# Altium PCB Charger Interface.PcbDoc
Units mm, origin at the board's own origin, x right, y up, seen from the top; angles counter-clockwise.
Board outline 50 x 55 mm, 2 copper layers (Top Layer, Bottom Layer); 68 components, 56 nets, 244 pads, 102 vias.
Unrouted connection lines stored in the file: 67.
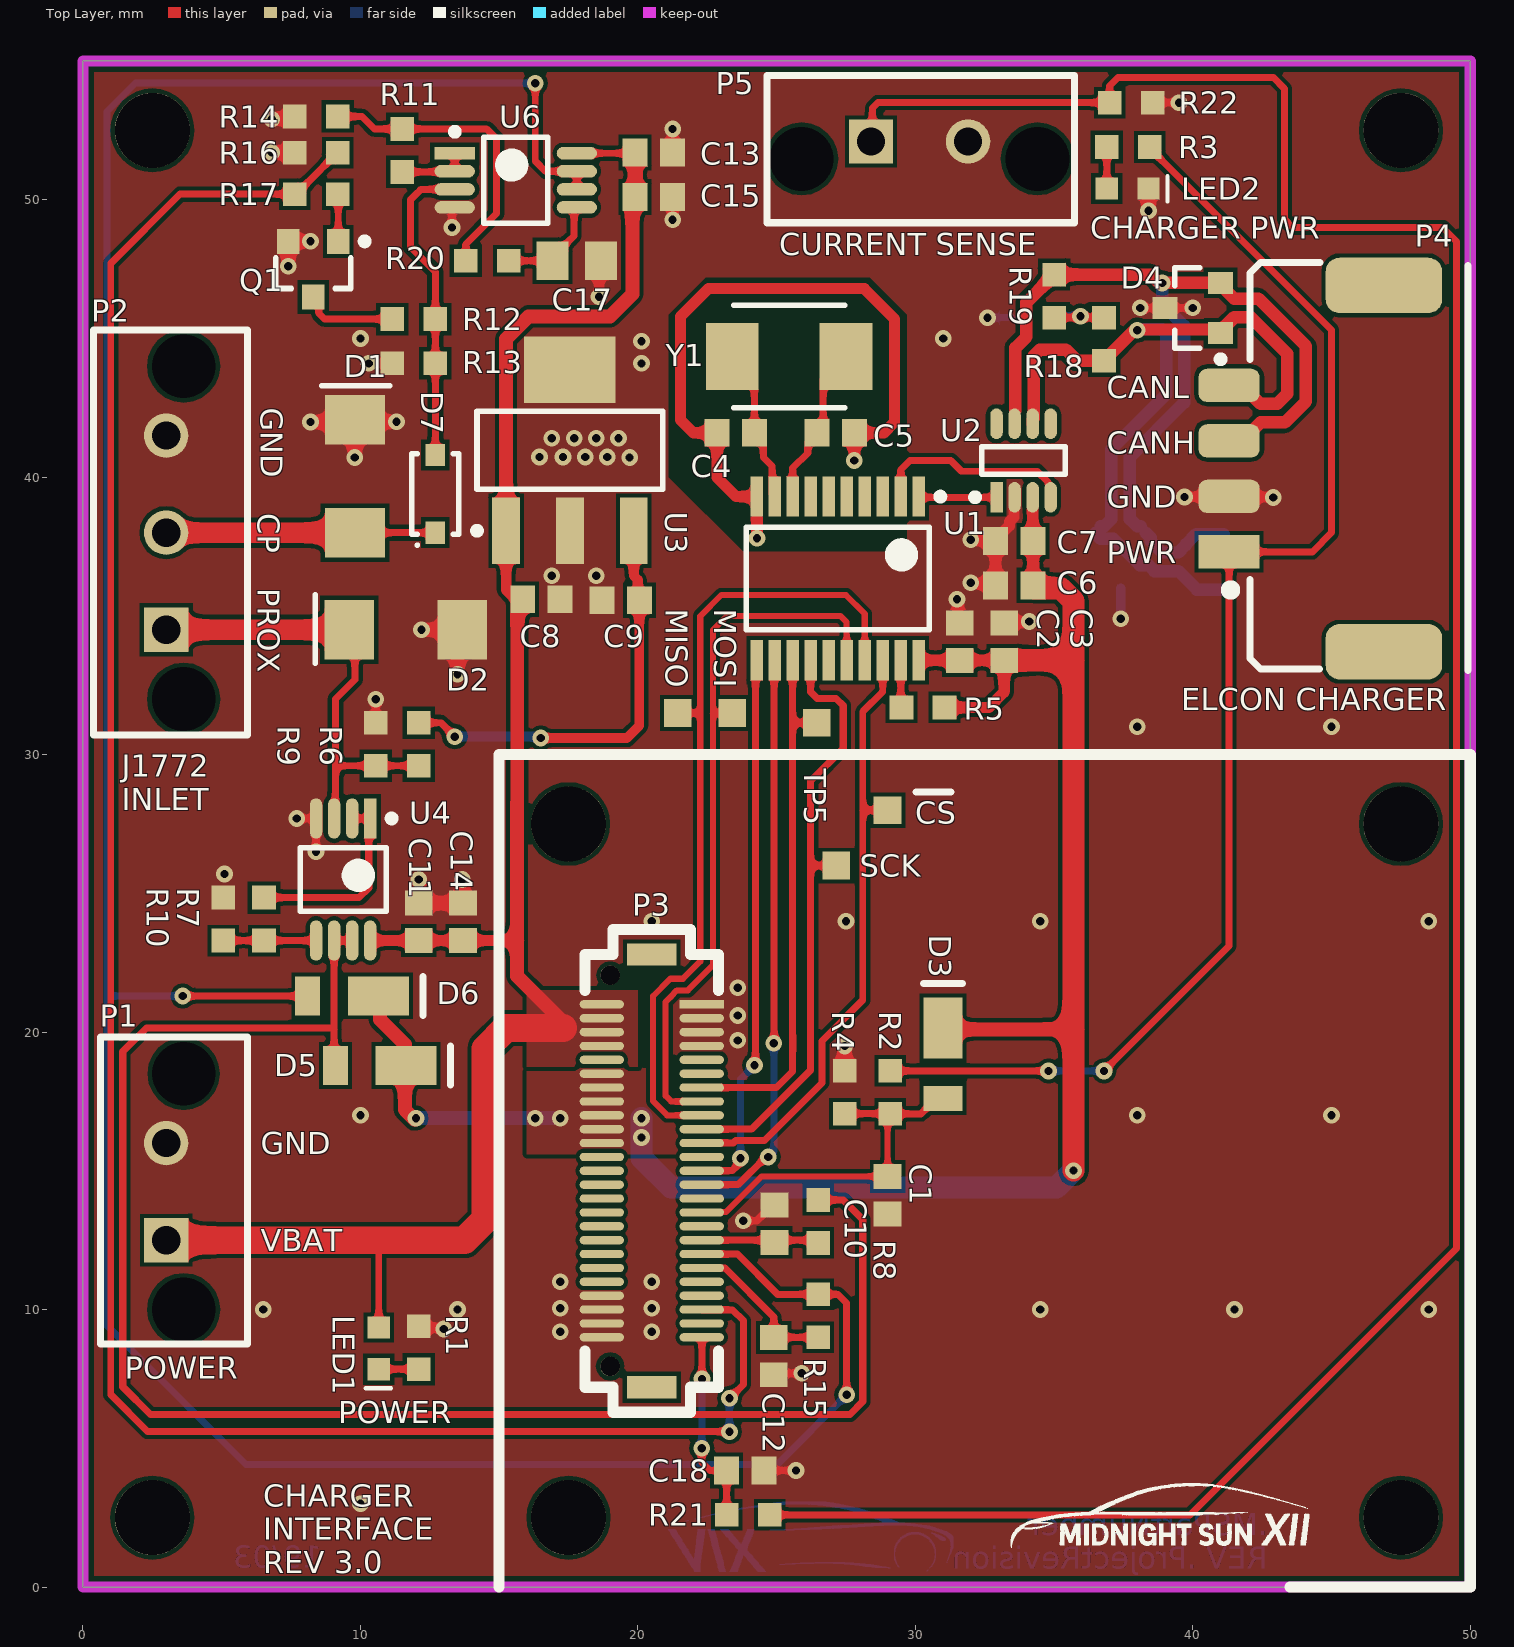
[diagram p0: Top Layer view]
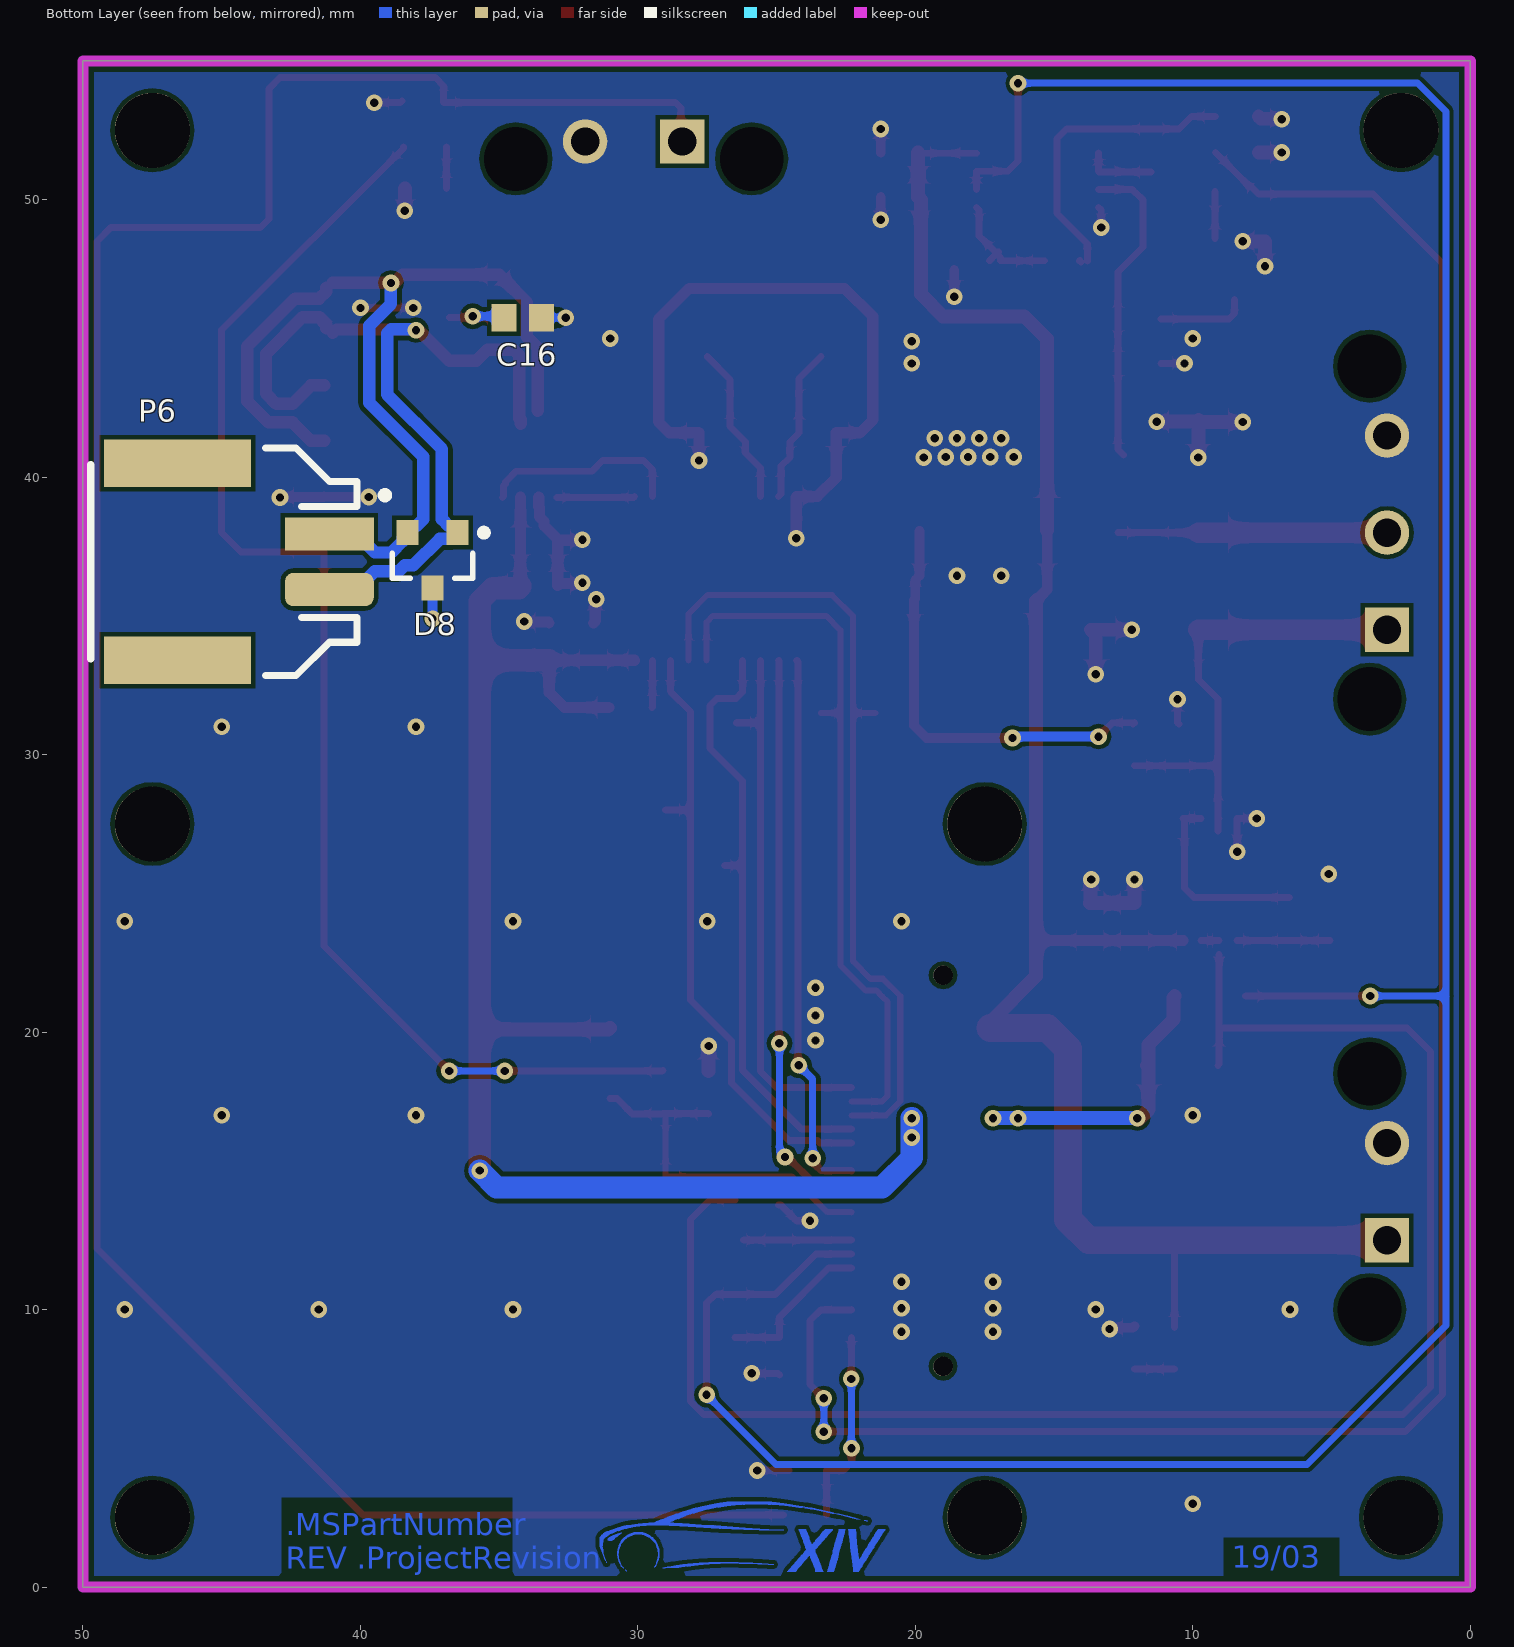
[diagram p1: Bottom Layer view, seen from below]
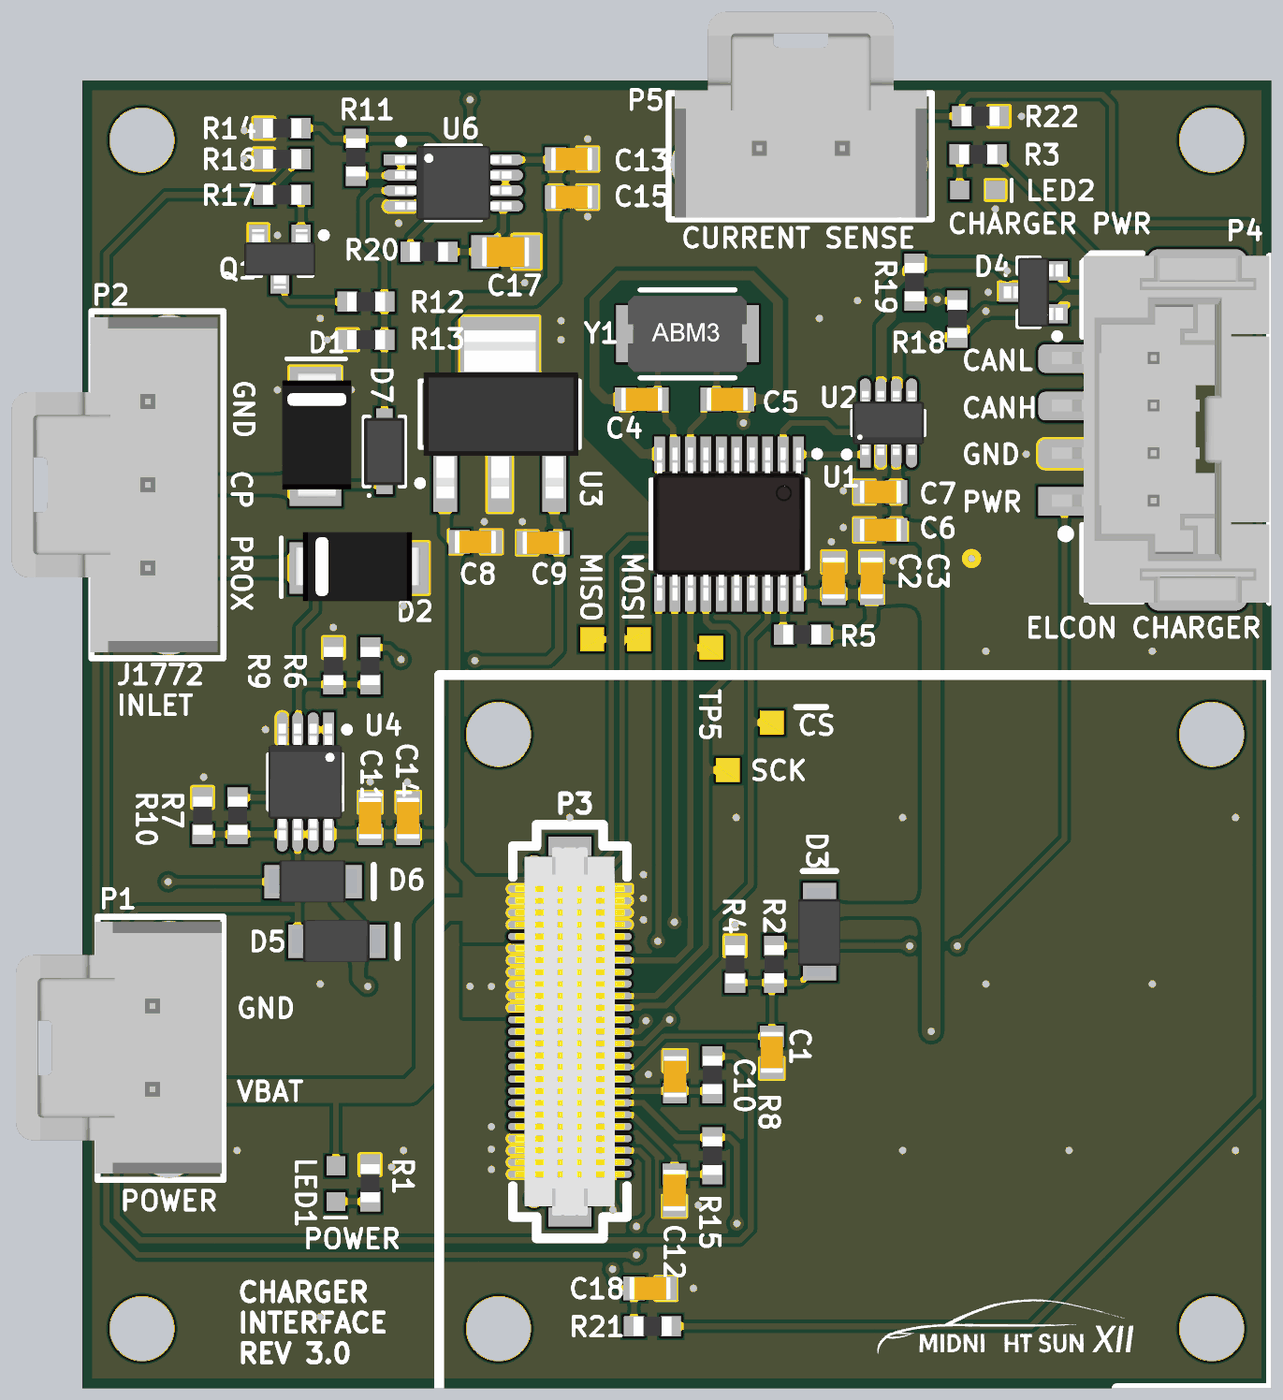
[diagram p2: 3D render of the assembled board from above, using the file's embedded part models]
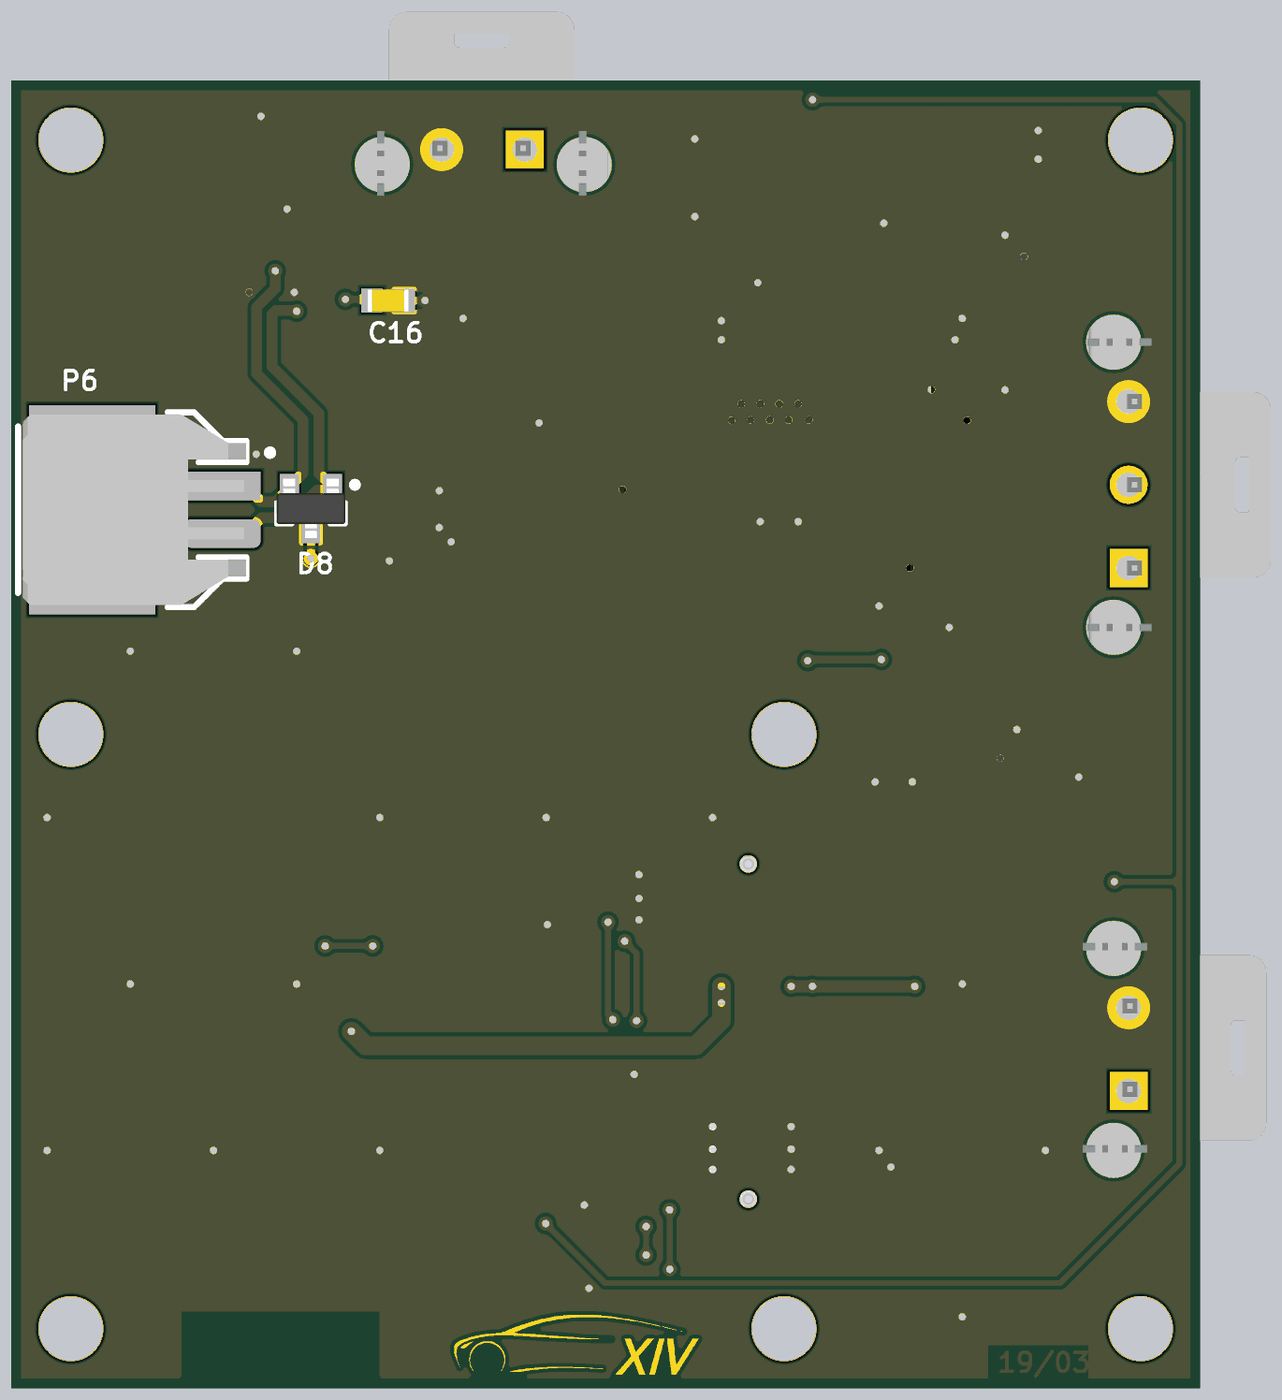
[diagram p3: 3D render of the assembled board from below, using the file's embedded part models]

## Layer stack, top to bottom
Top Solder: solder mask 0.0102, Solder Resist, Dk 3.5
Top Layer: signal copper 0.0356
Dielectric 1: dielectric 0.32, FR-4, Dk 4.8
Bottom Layer: signal copper 0.0356
Bottom Solder: solder mask 0.0102, Solder Resist, Dk 3.5

## Board outline
0,0 0,55 50,55 50,0

## Design rules (kind name [scope] priority, off if disabled: settings)
BoardOutlineClearance [All] p1: gap=0.406 ignorepadtopadclearanceinfootprint=FALSE
Clearance [All] p1: gap=0.152 ignorepadtopadclearanceinfootprint=TRUE
ComponentClearance ComponentClearance_ControllerBoard [InComponent('P3') vs Identifier = 'Controller_Board'] p1: gap=0 collisioncheckmode=3 verticalgap=0 showdistances=FALSE
ComponentClearance ComponentClearance_Standoffs [Identifier = 'Standoff' vs Identifier = 'Controller_Board'] p2: gap=0 collisioncheckmode=3 verticalgap=0 showdistances=FALSE
ComponentClearance ComponentClearance_C1_C2 [HasFootprint('CAP ALUM 6.3MM RADIAL SMD') vs OnLayer('Bottom Layer')] p3: gap=0 collisioncheckmode=3 verticalgap=0 showdistances=FALSE
ComponentClearance [All] p4: gap=0.254 collisioncheckmode=3 verticalgap=0.254 showdistances=FALSE
DiffPairsRouting [All] p1: maxlimit=0.8 minlimit=0.2 mostfreqgap=0.22 toplayer_minwidth=0.2 toplayer_maxwidth=0.5 toplayer_prefwidth=0.45 bottomlayer_minwidth=0.2 bottomlayer_maxwidth=0.5 bottomlayer_prefwidth=0.45 maxuncoupledlength=12.7
HoleSize [All] p1: absolutevalues=TRUE maxlimit=6.3 minlimit=0.3 maxpercent=80.000 minpercent=20.000
MinimumAnnularRing [All] p1: minimumring=0.15
MinimumSolderMaskSliver [All] p1: minsoldermaskwidth=0.3
PolygonConnect PolygonConnect_Via [IsVia] p1: connectstyle=Direct reliefconductorwidth=0.254 reliefentries=4 polygonreliefangle="90 Angle" airgapwidth=0.254
PolygonConnect [All] p2: connectstyle=Direct reliefconductorwidth=0.254 reliefentries=4 polygonreliefangle="90 Angle" airgapwidth=0.254
PolygonConnect PolygonConnect_NoThermal [Not(IsPad)] p3: connectstyle=Direct reliefconductorwidth=0.254 reliefentries=4 polygonreliefangle="90 Angle" airgapwidth=0.254
RoutingVias [All] p1: holewidth=0.3 width=0.6 viastyle="Through Hole" minholewidth=0.3 minwidth=0.6 maxholewidth=0.711 maxwidth=1.27
SilkToSilkClearance SilkToSilkClearance_Top [OnLayer('Top Overlay') vs OnLayer('Top Overlay')] p1: silktosilkclearance=0.254
SilkToSilkClearance SilkToSilkClearance_Bottom [OnLayer('Bottom Overlay') vs OnLayer('Bottom Overlay')] p2: silktosilkclearance=0.254
SilkToSolderMaskClearance [IsPad] p1: minsilkscreentomaskgap=0.178 clearancetoexposedcopper=TRUE
SolderMaskExpansion [All] p1: expansion=0.102
Width [All] p1: maxlimit=2.54 minlimit=0.152 preferedwidth=0.25
24 further rules are at their usual default settings.

## Classes and differential pairs
component class "Charger Interface - Connectors": C1 C18 D1 D2 D3 D8 LED1 LED2 P1 P2 P3 P4 P5 P6 R1 R2 R3 R4 R21 R22
component class "Charger Interface - CAN": C2 C3 C4 C5 C6 C7 C16 CS D4 MISO MOSI R5 R18 R19 SCK TP5 U1 U2 Y1
component class "Charger Interface - J1772 Interface": C8 C9 C10 C11 C12 C13 C14 C15 C17 D5 D6 D7 Q1 R6 R7 R8 R9 R10 R11 R12 R13 R14 R15 R16 R17 R20 U3 U4 U6
differential pair CHARGER_CAN: +CHARGER_CAN_P -CHARGER_CAN_N

## Components (designator, comment, footprint, x,y, rotation, side; value= is the part's Value field where it differs from the comment)
C1 "CAP CER 0.1UF 50V 10% X7R 0603" "CAP, 0603" 29,14.125 r270 top
C2 "CAP CER 0.1UF 50V 10% X7R 0603" "CAP, 0603" 31.6,34.075 r90 top
C3 "CAP CER 1UF 50V 10% X7R 0603" "CAP, 0603" 33.2,34.075 r90 top
C4 "CAP CER 25PF 50V ±5% C0G/NP0 0603" "CAP, 0603" 23.525,41.6 r180 top
C5 "CAP CER 25PF 50V ±5% C0G/NP0 0603" "CAP, 0603" 27.125,41.6 r0 top
C6 "CAP CER 4.7UF 25V 10% X5R 0603" "CAP, 0603" 33.563,36.1 r0 top
C7 "CAP CER 0.1UF 50V 10% X7R 0603" "CAP, 0603" 33.563,37.7 r0 top
C8 "CAP CER 0.33UF 16V 10% X7R 0603" "CAP, 0603" 16.525,35.6 r0 top
C9 "CAP CER 0.1UF 50V 10% X7R 0603" "CAP, 0603" 19.375,35.562 r180 top
C10 "CAP CER 0.1UF 50V 10% X7R 0603" "CAP, 0603" 24.925,13.1 r90 top
C11 "CAP CER 0.1UF 50V 10% X7R 0603" "CAP, 0603" 12.1,23.975 r90 top
C12 "CAP CER 0.1UF 50V 10% X7R 0603" "CAP, 0603" 24.9,8.325 r270 top
C13 "CAP CER 0.1UF 50V 10% X7R 0603" "CAP, 0603" 20.575,51.7 r0 top
C14 "CAP CER 1UF 50V 10% X7R 0603" "CAP, 0603" 13.7,23.975 r90 top
C15 "CAP CER 1UF 50V 10% X7R 0603" "CAP, 0603" 20.575,50.1 r0 top
C16 "CAP CER 10nF 50V 5% X7R 0603" "CAP, 0603" 34.15,45.75 r180 bottom
C17 "CAP CER 10uF 25V 10% X5R 0805" "CAP, 0805" 17.8,47.8 r0 top
C18 "CAP CER 0.1UF 50V 10% X7R 0603" "CAP, 0603" 23.875,4.2 r0 top
CS "SPI_NSS" "Test Point" 29,28 r90 top (schematic designator TP4)
D1 "DIODE TVS 12VWM 19.6VC DO-214AA (SMB)" "DO-214AA Diode" 9.8,38 r90 top
D2 "DIODE TVS 5VWM 9.1VC DO-214AA (SMB)" "DO-214AA Diode" 13.664,34.5 r180 top
D3 "DIODE SCHOTTKY 30V 1A POWERDI123" "DIODE SCHOTTKY 30V 1A POWERDI123" 31,17.6 r90 top
D4 "DIODE TVS 24VWM 70VC SOT23" "MOSFET P-CH 30V 3.8A SOT-23" 40,46.1 r180 top
D5 "DIODE SCHOTTKY 30V 1A POWERDI123" "DIODE SCHOTTKY 30V 1A POWERDI123" 9.1,18.8 r0 top
D6 "DIODE SCHOTTKY 30V 1A POWERDI123" "DIODE SCHOTTKY 30V 1A POWERDI123" 8.1,21.306 r0 top
D7 "DIODE GEN PURP 100V 300MA SOD123" "DIODE GEN PURP 100V 300MA SOD123" 12.7,39.4 r90 top
D8 "DIODE TVS 24VWM 70VC SOT23" "MOSFET P-CH 30V 3.8A SOT-23" 37.4,37 r270 bottom
LED1 "LED GREEN CLEAR 2V 0603" LED_0603 10.65,9.3 r270 top
LED2 "LED RED CLEAR 2V 0603" LED_0603 36.95,50.39 r0 top
MISO "SPI_MISO" "Test Point" 21.432,31.5 r90 top (schematic designator TP3)
MOSI "SPI_MOSI" "Test Point" 23.404,31.5 r90 top (schematic designator TP2)
P1 "CONN 2POS ULTRA-FIT 0.138\"" "CONN, 2POS ULTRA-FIT" 3,12.5 r90 top
P2 "CONN 3POS ULTRA-FIT 0.138\"" "CONN, 3POS ULTRA-FIT" 3,34.5 r90 top
P3 "CONN 50POS Bergstak Plug 0.02\"" "CONN, BERGSTAK 50 POS PLUG" 20.5,15 r0 top locked
P4 "Dura-Clik" "CONN, 4POS DURA-CLIK VERT" 41.309,37.31 r90 top locked
P5 "CONN 2POS ULTRA-FIT NATURAL COLOR 0.138\"" "CONN, 2POS ULTRA-FIT - NATURAL COLOR" 28.4,52.1 r0 top
P6 "CONN 2POS DURA-CLIK 0.079\"" "CONN, 2POS Dura-Click" 41.12,37.95 r270 bottom
Q1 "MOSFET N-CH 30V 6.2A 0.9W SOT-23" "MOSFET N-CH 30V 6.2A 0.9W SOT-23" 8.3,47.5 r270 top
R1 "RES 10K OHM 1% 1/10W 0603" "RES, 0603" 12.1,8.625 r90 top
R2 "RES 10K OHM 1% 1/10W 0603" "RES, 0603" 29.1,17.835 r270 top
R3 "RES 10K OHM 1% 1/10W 0603" "RES, 0603" 37.675,51.9 r180 top
R4 "RES 3.65K OHM 0.1% 1/10W 0603" "RES, 0603" 27.45,17.829 r90 top
R5 "RES 10K OHM 1% 1/10W 0603" "RES, 0603" 30.275,31.7 r0 top
R6 "RES 330 OHM 1% 1/10W 0603" "RES, 0603" 12.1,30.375 r270 top
R7 "RES 820 OHM 5% 1/4W 0603" "RES, 0603" 6.524,24.075 r270 top
R8 "RES 100 OHM 1% 1/10W 0603" "RES, 0603" 26.5,13.175 r270 top
R9 "RES 2.7K OHM 1% 1/10W 0603" "RES, 0603" 10.55,30.375 r90 top
R10 "RES 1.3K OHM 1% 1/10W 0603" "RES, 0603" 5.05,24.075 r90 top
R11 "RES 10K OHM 1% 1/10W 0603" "RES, 0603" 11.5,51.775 r90 top
R12 "RES 1.3K OHM 1% 1/10W 0603" "RES, 0603" 11.925,45.7 r180 top
R13 "RES 2.7K OHM 1% 1/10W 0603" "RES, 0603" 11.925,44.1 r180 top
R14 "RES 3.65K OHM 0.1% 1/10W 0603" "RES, 0603" 8.4,53 r180 top
R15 "RES 100 OHM 1% 1/10W 0603" "RES, 0603" 26.5,9.775 r270 top
R16 "RES 10K OHM 1% 1/10W 0603" "RES, 0603" 8.4,51.7 r180 top
R17 "RES 100 OHM 1% 1/10W 0603" "RES, 0603" 8.4,50.2 r0 top
R18 "62R" "RES, 0603" 36.8,44.975 r90 top value=62
R19 "62R" "RES, 0603" 35,46.525 r270 top value=62
R20 "RES 10K OHM 1% 1/10W 0603" "RES, 0603" 14.575,47.8 r0 top
R21 "RES 100 OHM 1% 1/10W 0603" "RES, 0603" 23.975,2.6 r180 top
R22 "RES 10K OHM 1% 1/10W 0603" "RES, 0603" 37.775,53.5 r0 top
SCK "SPI_SCK" "Test Point" 27.146,26 r90 top (schematic designator TP1)
TP5 "CAN_INT_n" "Test Point" 26.45,31.15 r90 top
U1 "MCP2515" TSSOP65P640X120-20N 27.2,36.35 r270 top
U2 "IC CAN Tranceiver TCAN332DR" TSOP65P280X145-8N 33.9,40.6 r90 top
U3 "IC REG LDO 5V 0.5A SOT223" SOT223_N 17.55,40.968 r90 top
U4 "IC OP AMP DUAL GP RR 10MHZ 8-VSSOP" "IC DUAL OPAMP OPA2197 8-VSSOP" 9.375,25.5 r270 top
U6 "IC OP AMP DUAL GP RR 10MHZ 8-VSSOP" "IC DUAL OPAMP OPA2197 8-VSSOP" 15.6,50.7 r0 top
Y1 "CRYSTAL 16 MHz 18PF 2-SMD" "ABM3 CRYSTAL" 25.45,44.35 r0 top

## Footprints (in the part's own frame and the unit in brackets; to place one, negate y for a bottom-side part, rotate by r counter-clockwise, add the part's x,y. Pads: shape width x height; smd on the part's side, far side on the other; paste and mask are expansions set on the pad)
"ABM3 CRYSTAL" [mm]
  rect 1.9x2.4 smd: 1(-2.05,0) 2(2.05,0)
  silkscreen extent -2,-1.85 2,1.85, body extent -2.5,-1.6 2.5,1.6, height 1.3
"CAP, 0603" [mm] "Chip Capacitor, 2-Leads, Body 1.60x0.81mm, IPC Medium Density"
  rect 0.9x1 smd mask+0.076: 1(-0.675,0) 2(0.675,0)
  body extent -0.87,-0.48 0.87,0.48, height 0.9
"CAP, 0805" [mm] "Chip Capacitor, 2-Leads, Body 2.00x1.25mm, IPC Medium Density"
  rect 1.15x1.4 smd: 1(-0.875,0) 2(0.875,0)
  body extent -1,-0.63 1,0.63, height 1.25
"CONN, 2POS Dura-Click" [mm] "WM7169CT-ND"
  rect 1.2x3.2 smd: 1(0,0)
  rrect50% 1.2x3.2 smd: 2(2,0)
  rect 1.7x5.3 smd: ""(-2.55,-5.48) ""(4.55,-5.48)
  silkscreen extent -3.1,-8.6 5.1,2.13, body extent -3,-8.4 5,1, height 6.39
"CONN, 2POS ULTRA-FIT" [mm] "2 Positions Header, Shrouded Connector 0.138\" (3.50mm) Through Hole Gold"
  rect 1.6x1.6 hole 1.02: 1(0,0)
  round 1.6 hole 1.02: 2(3.5,0)
  round 1.6 hole 2.3: ""(-2.5,-0.63) ""(6,-0.63)
  silkscreen extent -3.74,-2.93 7.33,2.37, body extent -3.48,-2.87 7.12,5.79, height 13.85
"CONN, 2POS ULTRA-FIT - NATURAL COLOR" [mm] "2 Positions Header, Shrouded Connector 0.138\" (3.50mm) Through Hole Gold"
  rect 1.6x1.6 hole 1.02: 1(0,0)
  round 1.6 hole 1.02: 2(3.5,0)
  round 1.6 hole 2.3: ""(-2.5,-0.63) ""(6,-0.63)
  silkscreen extent -3.74,-2.93 7.33,2.37, body extent -3.48,-2.87 7.12,5.79, height 13.85
"CONN, 3POS ULTRA-FIT" [mm]
  rect 1.6x1.6 hole 1.02: 1(0,0)
  round 1.6 hole 1.02: 2(3.5,0) 3(7,0)
  round 0 hole 2.3: ""(-2.5,-0.63) ""(9.5,-0.63)
  silkscreen extent -3.8,-2.93 10.8,2.62, body extent -3.55,-2.67 10.55,5.99, height 13.85
"CONN, 4POS DURA-CLIK VERT" [mm]
  rect 1.2x2.2 smd: 1(0,0)
  rrect50% 1.2x2.2 smd: 2(2,0) 3(4,0) 4(6,0)
  rrect50% 2x4.2 smd: 7(-3.6,-5.58) 7(9.6,-5.58)
  silkscreen extent -4.28,-8.61 10.42,0.05, body extent -4.28,-8.61 10.32,0.54, height 8
"CONN, BERGSTAK 50 POS PLUG" [mm] "Bergstak 50 Position Plug"
  rect 1.6x0.3 smd: 1(1.8,6)
  oval 1.6x0.3 smd: 2(1.8,5.5) 3(1.8,5) 4(1.8,4.5) 5(1.8,4) 6(1.8,3.5) 7(1.8,3) 8(1.8,2.5) 9(1.8,2) 10(1.8,1.5) 11(1.8,1) 12(1.8,0.5) 13(1.8,0) 14(1.8,-0.5) 15(1.8,-1) 16(1.8,-1.5) 17(1.8,-2) 18(1.8,-2.5) 19(1.8,-3) 20(1.8,-3.5) 21(1.8,-4) 22(1.8,-4.5) 23(1.8,-5) 24(1.8,-5.5) 25(1.8,-6) 26(-1.8,-6) 27(-1.8,-5.5) 28(-1.8,-5) 29(-1.8,-4.5) 30(-1.8,-4) 31(-1.8,-3.5) 32(-1.8,-3) 33(-1.8,-2.5) 34(-1.8,-2) 35(-1.8,-1.5) 36(-1.8,-1) 37(-1.8,-0.5) 38(-1.8,0) 39(-1.8,0.5) 40(-1.8,1) 41(-1.8,1.5) 42(-1.8,2) 43(-1.8,2.5) 44(-1.8,3) 45(-1.8,3.5) 46(-1.8,4) 47(-1.8,4.5) 48(-1.8,5) 49(-1.8,5.5) 50(-1.8,6)
  round 0.7 hole 0.7: ""(-1.5,-7.05) ""(-1.5,7.05)
  rect 1.8x0.8 smd: ""(0,-7.8) ""(0,7.8)
  silkscreen extent -2.4,-8.7 2.4,8.7, body extent -2.3,-7.75 2.3,7.75, height 4.2
"DIODE GEN PURP 100V 300MA SOD123" [mm] "Diode Standard 100V 300mA (DC) Surface Mount SOD-123"
  rect 0.8x0.7 smd: 1(-1.4,0) 2(1.4,0)
  silkscreen extent -1.9,-0.85 1.45,0.85, body extent -1.43,-0.85 1.43,0.85, height 1.35
"DIODE SCHOTTKY 30V 1A POWERDI123" [mm] "Diodes Incorporated DFLS130L-7"
  rect 0.9x1.4 smd: 1(0,0)
  rect 2.2x1.4 smd: 2(2.55,0)
  silkscreen extent 4.15,-0.7 4.15,0.7, body extent -0.27,-0.88 3.42,0.9, height 0.98
"DO-214AA Diode" [mil] "Zener Diode 16V 5W SMBJ5353B-TP"
  rect 70x85 smd: 1(0,0) 2(160,0)
  silkscreen extent 209,-50 209,47, body extent -21,-60 187,55, height 95
"IC DUAL OPAMP OPA2197 8-VSSOP" [mm] "TSOP, 8-Leads, Body 3.00x3.00mm, Pitch 0.65mm, IPC Medium Density"
  rect 1.45x0.45 smd: 1(-2.2,0.975)
  oval 1.45x0.45 smd: 2(-2.2,0.325) 3(-2.2,-0.325) 4(-2.2,-0.975) 5(2.2,-0.975) 6(2.2,-0.325) 7(2.2,0.325) 8(2.2,0.975)
  silkscreen extent -2.32,-1.55 1.15,1.88, body extent -2.45,-1.55 2.45,1.55, height 1.1
LED_0603 [mm]
  rect 0.8x0.8 smd: 1(-0.05,0.01) 2(1.45,0.01)
  silkscreen extent 2.13,-0.46 2.13,0.45, body extent -0.09,-0.39 1.51,0.41, height 0.8
"MOSFET N-CH 30V 6.2A 0.9W SOT-23" [mm] "SOT23, 3-Leads, Body 2.90x2.40mm, Pitch 0.90mm, IPC Medium Density"
  rect 0.9x0.8 smd: 1(-1,0.9) 2(-1,-0.9) 3(1,0)
  silkscreen extent -1.12,-1.35 0.7,1.98, body extent -1.25,-1.5 1.25,1.5, height 1.1
"MOSFET P-CH 30V 3.8A SOT-23" [mm] "SOT23, 3-Leads, Body 2.85x2.40mm, Pitch 0.90mm, IPC Medium Density"
  rect 0.9x0.8 smd: 1(-1,0.9) 2(-1,-0.9) 3(1,0)
  silkscreen extent -1.13,-1.45 0.65,1.97, body extent -1.25,-1.45 1.25,1.45, height 1.1